# Altium PCB mchf_pro_ui.PcbDoc (part 5 of 5) (continued)
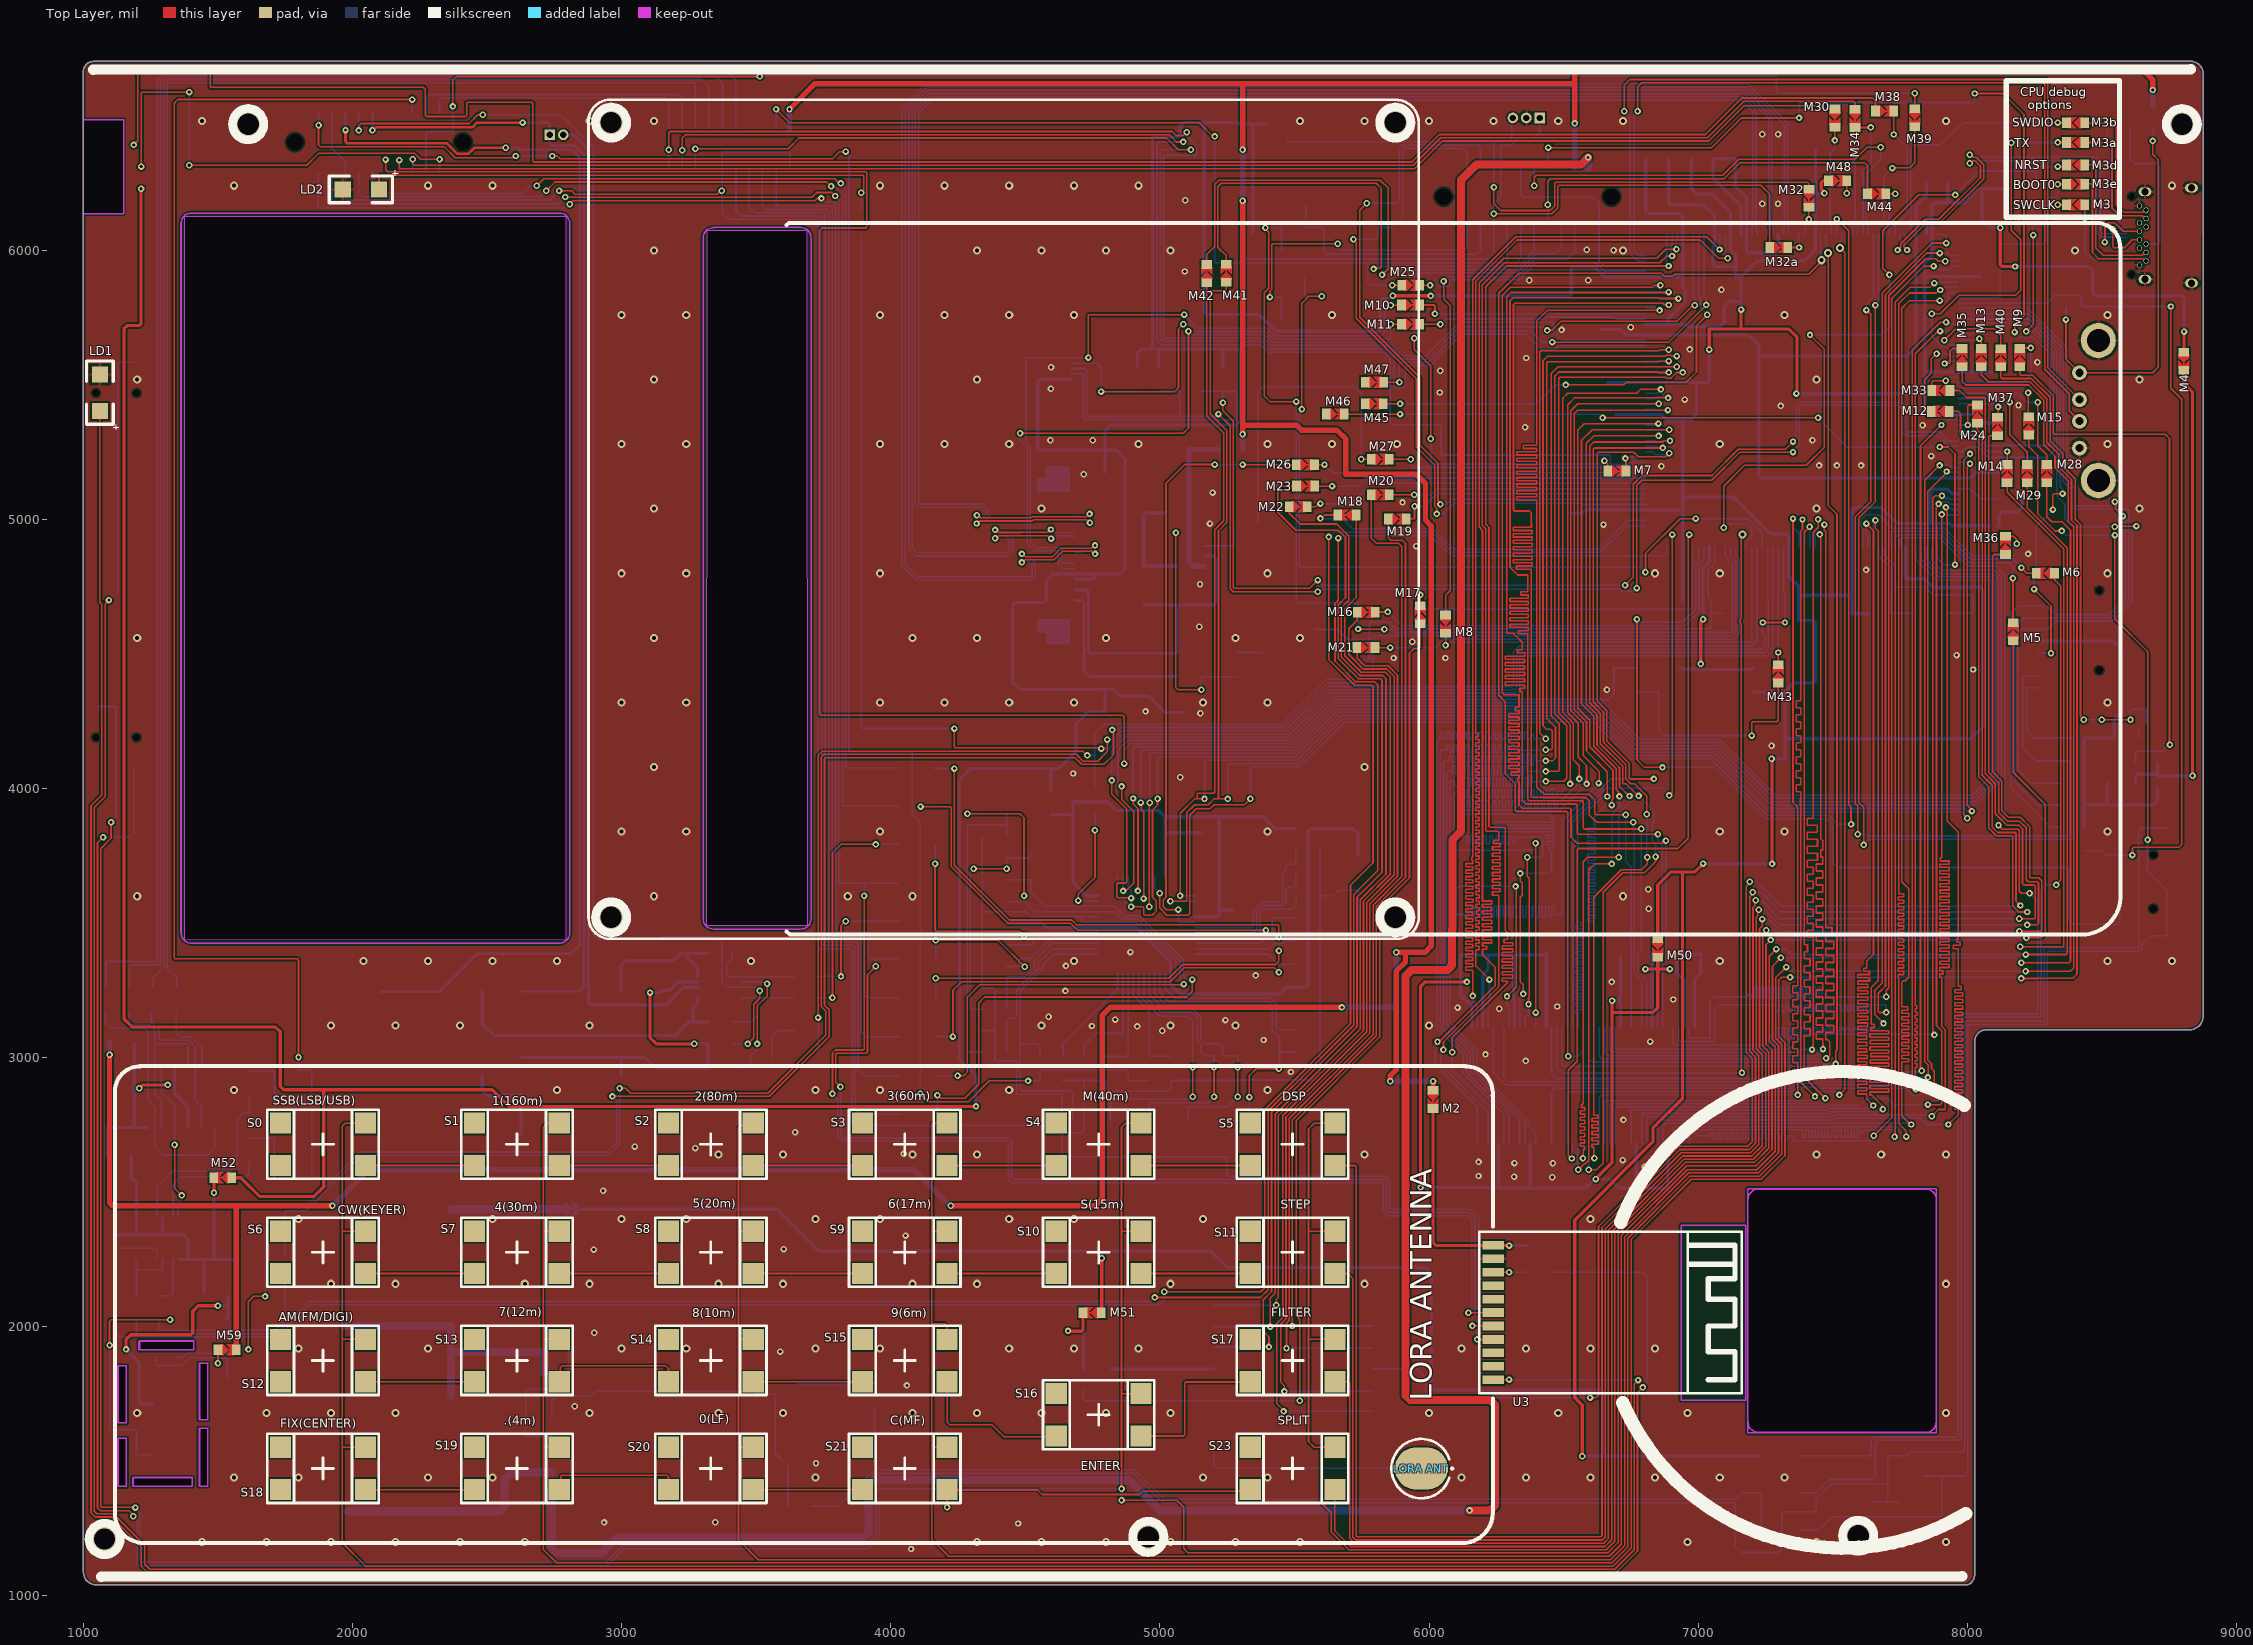
[diagram p0: Top Layer view]
## Nets (pads, with @x,y where several pads share a name; then routed paths per layer and width w, separated by ;. In a path a pad name is that pad's centre, name@x,y a point inside that pad or via, vN(x,y) a via of type N, cw(c..) or ccw(c..) an arc to the next point about the centre after c; other vN are vias at no path point) (continued)
  Top Layer w12: v1(1214.16,6229.04) 1214.16,5727.28 1207.13,5720.25 1162.18,5720.25 1150.35,5708.43 1150.35,3144.92 1181.1,3114.17 1713.58,3114.17 1731.3,3096.46 1731.3,2894.68 1745.08,2880.91 1888.78,2880.91 ; M52.1@1551.92,2554.01 1584.77,2554.01 1654.53,2484.25 1856.3,2484.25 1892.72,2520.67 1892.72,2876.97 1888.78,2880.91 ; v1(4316.63,2818.94) 2580.84,2818.94 2518.88,2880.91 1888.78,2880.91 ; M51.1@4781.78,2052.17 4783.46,2053.85 v1(4783.46,2254.92) ; v1(5865.42,5831.34) 5865.92,5830.84 6005.84,5830.84 v1(6006.34,5830.34) ; v1(6569.36,1518.98) 6569.36,1709 6541.34,1737.02 6541.34,2396.65 6831.89,2687.21 6831.89,2738.78 6942.01,2848.9 6942.01,3689.96 ; M50.1@6849.39,3441.36 6849.39,3641.87 6897.48,3689.96 6942.01,3689.96 ; v1(7018,3721.42) 6986.54,3689.96 6942.01,3689.96 ; v1(7041.31,5631.28) 7041.31,5707.66 7159.42,5707.66 ; v1(7159.42,5779.78) 7159.42,5707.66 ; v1(7272.43,4111.12) 7274.39,4109.16 v1(7274.39,3720.11) ; v1@7367.52,5479.05 7367.52,5676.78 7336.65,5707.66 7159.42,5707.66 ; v1(7468.95,6211.95) 7468.95,6215.2 7457.52,6226.62 7457.52,6251.44 7464.55,6258.47 M48.1@7484.06,6258.47 ; v1(8122.03,6083.62) 8122.03,5946.89 8129.06,5939.86 v1(8177.41,5939.86) ; M4.1@8803.95,5621.35 8805.12,5622.52 v1(8805.12,5698.06)
  Bottom Layer w12: M49.2@2845.76,2436.93 3576.07,2436.93 3731.51,2281.5 4784.45,2281.5 ; v1(4316.63,2818.94) 4316.63,2930.41 4254.92,2992.13 4254.92,4031.98 4297.36,4074.43 4601.66,4074.43 ; M0.2@4594.63,3994.1 4594.63,4067.4 4601.66,4074.43 ; J8.3@4670.39,5521.65 4552.86,5521.65 4545.83,5514.62 4545.83,5264.9 4552.86,5257.87 4796.26,5257.87 ; J7.6@4684.06,4777.56 4750.61,4777.56 4757.64,4784.59 4757.64,4797.24 ; v1(4783.46,2254.92) 4784.45,2255.91 4784.45,2281.5 ; C51.2@4796.26,5177.17 4796.26,5257.87 ; R49.1@4914.37,5565.39 4916.34,5567.36 4916.34,5617.13 4932.09,5632.87 4972.72,5632.87 ; R48.1@4994.95,5565.39 4994.95,5630.91 4996.92,5632.87 ; C47.1@5085.1,4282.99 5018.1,4282.99 4958,4343.1 4854.2,4343.1 4829.19,4368.11 4796.26,4368.11 ; R47.1@5233.7,5565.39 5233.7,5632.66 5233.91,5632.87 ; D4.2@5345.67,6064.33 5345.67,6462.66 5352.7,6469.69 D5.2@5396.65,6469.69 ; 5352.15,6469.13 5293.72,6469.13 5288.44,6474.41 5164.37,6474.41 ; v1(5865.42,5831.34) 5863.56,5831.34 5852.39,5820.17 5825.8,5820.17 5818.77,5813.14 5818.77,5705.95 5811.75,5698.92 5431.4,5698.92 5369.05,5761.27 5171.4,5761.27 5164.37,5768.3 5164.37,6474.41 ; v1(6006.34,5830.34) 6521.64,5830.34 6528.67,5837.37 Cp100.1@6528.67,5885.3 6528.67,5931.97 6535.7,5939 6613.26,5939 6650.11,5902.14 U5.100@6805.08,5902.14 6942.73,5902.15 6942.88,5902.3 ; Cp56.1@6528.67,5023 6568.7,5023 6581.7,5036 6942.88,5036 ; v1(6569.36,1518.98) 6570.07,1519.68 6646.73,1519.68 ; Cp80.1@6663.76,5508.44 6993.52,5508.44 ; Cp74.1@6692.27,5390.33 6863.45,5390.33 6883.13,5370.65 6939.34,5370.65 ; U5.91@6805.08,5724.98 6888.62,5724.98 ; Cp108.1@6805.08,6338.18 6805.43,6337.84 6805.43,6143.84 6812.46,6136.81 6928.69,6136.81 6942.88,6122.62 U5.108@6942.88,6059.62 6942.88,5902.3 ; Cp114.1@6890.52,6338.18 6890.52,6174.97 6897.55,6167.94 7021.37,6167.94 7060.99,6128.32 U5.114@7060.99,6059.62 7061.08,6059.53 7061.08,6018.68 7055.18,6012.78 7055.18,5947.04 7062.21,5940.01 7139.73,5940.01 ; Cp49.1@6942.88,4698.22 6942.88,5036 ; Cp117.1@6973.84,6338.18 6973.84,6228.69 6993.52,6209 7052.34,6209 7120.05,6141.3 U5.117@7120.05,6059.62 7120.05,6002.78 7139.73,5983.1 7139.73,5940.01 ; v1(7018,3721.42) 7018.65,3720.76 7273.74,3720.76 v1(7274.39,3720.11) ; v1@7041.31,5626.55 7041.31,5515.47 7034.28,5508.44 6993.52,5508.44 ; v1(7159.42,5779.78) 7159.42,5809.78 ; RFC3.1@7202.53,4358.59 7321.09,4358.59 7322.48,4359.98 ; D6.1@7230.31,1519.68 6646.73,1519.68 ; v1(7272.43,4111.12) 7322.48,4111.12 7322.48,4184.78 ; v1@7364.79,5467.05 7841.36,5467.05 ; 7435.38,6277.41 7435.38,6211.95 ; 7435.59,6279.77 Cp133.1@7435.59,6377.17 ; v1(7468.95,6211.95) 7435.38,6211.95 ; Cp17.1@7632.78,4649.9 7572.8,4649.9 7572.8,4717.96 ; U5.7@7769.65,4898.21 7769.65,4780.5 Cp7.1@7768.8,4779.64 7839.87,4779.64 7871.62,4747.89 8048,4747.89 8062.01,4733.89 8062.01,4233.72 8013.07,4184.78 7322.48,4184.78 ; U5.154@7848.39,6059.62 7848.39,6113.19 7857.82,6122.62 7868.08,6122.62 ; Cp155.1@7927.63,6251.71 7927.63,6183.86 7920.6,6176.83 ; U5.179@7948.88,5547.72 7841.36,5547.72 ; U5.202@7966.5,5095.06 7966.41,5095.15 7943.05,5095.15 7925.62,5112.58 7871,5112.58 7863.97,5105.55 7863.97,4984.93 ; U5.179@7966.5,5547.81 Cp179.1@8091.98,5547.81 ; Cp161.1@8048.11,5902.24 7966.59,5902.24 U5.161@7966.5,5902.14 7966.34,5902.3 7841.36,5902.3 ; 8082.58,4976.95 U5.208@7966.5,4976.95 7943.15,4976.95 7935.17,4984.93 7863.97,4984.93 ; Cp187.1@8091.98,5359.39 8040.98,5359.39 8029.72,5370.65 8029.72,5390.33 7848.39,5390.33 7841.36,5397.36 7841.36,5467.05 ; Cp208.1@8113.02,4976.72 8118.52,4982.23 8118.52,5016.54 8128.77,5026.78 8187.52,5026.78 8202.16,5041.42 R33.1@8202.16,5077 ; v1(8122.03,6083.62) 8086.55,6083.62 8054.23,6115.95 8054.23,6228.16 ; R32.1@8158.41,6228.16 8054.23,6228.16 ; v1(8177.41,5939.86) 8449.9,5939.86 8465.55,5924.21 8465.55,5844.49 8480.16,5829.88 8798.09,5829.88 8805.12,5822.85 v1(8805.12,5698.06) ; 4601.66,4074.43 4624.12,4074.43 4686.96,4137.27 4686.96,4238.21 4735.62,4286.87 C46.2@4796.26,4286.87 4796.26,4368.11 ; 4757.64,4797.24 4850.57,4797.24 4870.26,4816.93 4870.26,5226.2 4838.58,5257.87 4796.26,5257.87 ; 4757.64,4797.24 J7.7@4684.06,4797.24 4602.32,4797.24 4577.74,4772.66 4577.74,4698.82 4569.86,4690.94 4459.03,4690.94 4452,4683.92 4452,4396.43 4480.31,4368.11 4796.26,4368.11 ; 4784.45,2281.5 5189.49,2281.5 5250.52,2220.47 5988.19,2220.47 6008.86,2199.8 6008.86,1773.53 6015.89,1766.5 6639.7,1766.5 6646.73,1759.47 6646.73,1519.68 ; 4796.26,5257.87 4796.26,5329.72 4817.74,5351.21 5283.32,5351.21 5300.2,5368.08 5300.2,5625.84 5293.17,5632.87 5233.91,5632.87 ; 4972.72,5632.87 4972.72,6420.62 5066.26,6420.62 5075.41,6429.77 5075.41,6463.2 5086.61,6474.41 5164.37,6474.41 ; 4972.72,5632.87 4996.92,5632.87 ; 4996.92,5632.87 5233.91,5632.87 ; 6888.62,5724.98 6888.62,5746.02 6951.49,5808.89 6951.49,5852.47 6942.88,5861.08 6942.88,5902.3 ; 6888.62,5724.98 6955.86,5724.98 6964.63,5716.21 7080.68,5716.21 7096.6,5732.13 7096.6,5790.7 7115.68,5809.78 7159.42,5809.78 ; 6939.34,5370.65 6942.88,5367.11 6942.88,5083.22 ; 6939.34,5370.65 6973.84,5370.65 6993.52,5390.33 6993.52,5508.44 ; 6942.88,5036 6942.88,5083.22 ; 6942.88,5083.22 7131.88,5083.22 7269.32,4945.78 7328.52,4945.78 7336.58,4937.72 U5.29@7336.58,4898.21 7336.65,4898.14 7336.65,4788.94 7373.92,4751.66 7373.92,4714 ; 7139.73,5940.01 7139.73,5902.14 7159.42,5902.14 ; 7159.42,5809.78 7159.42,5902.14 ; 7159.42,5902.14 7218.48,5961.21 7395.08,5961.21 7435.01,6001.13 U5.133@7435.01,6059.62 7435.01,6077.15 7435.38,6077.53 7435.38,6211.95 ; 7322.48,4184.78 7322.48,4359.98 ; 7322.48,4359.98 7355.28,4392.78 7427.98,4392.78 7435.01,4399.81 7435.01,4617.07 7427.98,4624.1 Cp29.1@7373.7,4624.1 7373.7,4692.79 7373.92,4693.01 7373.92,4714 ; 7373.92,4714 7377.88,4717.96 7572.8,4717.96 ; 7572.8,4717.96 7572.8,5036.91 7580.18,5044.29 7680.09,5044.29 7739.45,4984.93 7863.97,4984.93 ; 7841.36,5467.05 7841.36,5547.72 ; 7841.36,5547.72 7841.36,5902.3 ; 7841.36,5902.3 7841.36,5951.95 7868.08,5978.66 7868.08,6122.62 ; 7868.08,6122.62 7868.08,6167.94 7876.96,6176.83 7920.6,6176.83 ; 7920.6,6176.83 7988.78,6176.83 8040.12,6228.16 8054.23,6228.16
  other v1: 7364.79,5467.84
UI_3V_SDRAM: Cr1.1 Cr3.1 Cr9.1 Cr15.1 Cr29.1 Cr35.1 Cr41.1 Cr43.1 Cr49.1 Cr55.1 Cr75.1 Cr81.1 M50.2 U8.1 U8.3 U8.9 U8.15 U8.29 U8.35 U8.41 U8.43 U8.49 U8.55 U8.75 U8.81 | length 6407.7
  Top Layer w12: v1(5968.58,2518) 5968.58,3264.74 5985.44,3281.6 v1(6140.52,3281.6) ; v1(6619.17,2549.21) 6619.17,2550.04 6680.08,2610.94 6680.08,3170.26 ; v1(6680.08,3211.95) 6680.08,3170.26 ; v1(6803.85,3329.51) 6803.92,3329.44 6849.39,3329.44 ; M50.2@6849.39,3373.86 6849.39,3329.44 ; v1(6894.85,3329.44) 6849.39,3329.44 ; 6680.08,3170.26 6682.23,3168.11 6831.89,3168.11 6849.39,3185.6 6849.39,3329.44
  Bottom Layer w12: v1(5968.58,2518) 6257.85,2518 Cr81.1@6260.62,2515.23 6258.12,2517.73 U8.81@6258.12,2679.53 ; v1(6140.52,3281.6) 6116.3,3281.6 ; U8.1@6159.69,3112.61 6159.69,3191.07 6116.3,3234.46 6116.3,3281.6 ; U8.3@6199.06,3112.61 6199.06,3307.29 6218.97,3327.2 Cr3.1@6218.97,3381.64 ; Cr3.1@6218.97,3382.49 Cr3.1@6218.97,3381.64 ; Cr81.1@6260.84,2515.23 Cr75.1@6376,2515.23 6580.87,2515.23 6614.85,2549.21 v1(6619.17,2549.21) 6671.3,2549.21 6704.43,2516.09 Cr55.1@6772.12,2516.09 ; U8.9@6317.17,3112.61 6317.17,3216.13 6314.01,3219.29 6314.01,3376.28 Cr9.1@6318.52,3380.78 ; Cr75.1@6376.23,2516.09 U8.75@6376.23,2679.53 ; U8.15@6435.28,3112.61 6435.28,3381.42 Cr15.1@6435.5,3381.64 ; Cr15.1@6438.65,3384.78 Cr15.1@6435.5,3381.64 ; v1(6680.08,3211.95) 6706.36,3211.95 6710.87,3207.44 ; U8.29@6710.87,3112.61 6710.87,3207.44 ; Cr29.1@6710.87,3378.35 6710.87,3207.44 ; U8.55@6769.93,2679.53 6769.93,2518.28 Cr55.1@6772.12,2516.09 ; v1(6803.85,3329.51) 6828.98,3329.51 ; U8.35@6828.98,3112.61 6828.98,3329.51 ; Cr35.1@6828.98,3384.78 6828.98,3329.51 ; Cr49.1@6888.04,2517.81 U8.49@6888.04,2679.53 ; Cr49.1@6890.61,2515.23 6772.98,2515.23 Cr55.1@6772.12,2516.09 ; v1(6894.85,3329.44) 6921.23,3329.44 6921.3,3329.51 ; U8.41@6947.09,3112.61 6947.09,3288.38 6921.3,3314.18 6921.3,3329.51 ; U8.43@6986.46,3112.61 6986.46,3291.34 7009.3,3314.18 7009.3,3384.78 Cr41.1@6921.52,3384.78 6921.3,3384.78 6921.3,3329.51 ; 6116.3,3281.6 Cr1.1@6116.3,3383.93 6118.59,3381.64 Cr3.1@6218.97,3381.64 ; Cr3.1@6218.97,3381.64 Cr15.1@6435.5,3381.64
USART2_TX: M3a.2 U5.175 | length 1337.5
  Top Layer w6: v1(7868.08,5764.35) 7899.86,5764.35 7968.99,5833.48 8179.31,5833.48 8198.41,5852.58 8198.41,6039.3 8163.2,6074.51 v1(8163.2,6399.24) ; v1(8335.63,6400.77) M3a.2@8368.61,6400.77
  Bottom Layer w6: v1(7868.08,5764.35) 7868.08,5682.73 7910.48,5640.33 7920.78,5640.33 7934.56,5626.55 U5.175@7966.5,5626.55 ; v1(8163.2,6399.24) 8164.73,6400.77 v1(8335.63,6400.77)
USB_DFU_N: J4.A7 J4.B7 U5.149 | length 1674.2
  Top Layer w6: v1(7740.72,6001.21) 7740.72,6002.02 7752.42,6013.72 7752.42,6024.1 7843.27,6114.95 7893.75,6114.95 8049.06,6270.27 8049.06,6312.45 8028.23,6333.29 8021.07,6333.29 8011.05,6323.26 v1(8008.56,6323.26) ; v1(8510.83,6030.51) 8511.67,6031.35 8511.67,6091.1 8523.11,6102.55 8547.02,6102.55 8578.9,6070.68 J4.B7@8639.72,6070.68
  Bottom Layer w6: v1(7740.72,6001.21) 7740.72,6002.02 7752.42,6013.72 7752.42,6025.61 7753.81,6027 7753.81,6036.49 7749.97,6040.33 U5.149@7749.97,6059.62 ; v1(8008.56,6323.26) 8011.05,6323.26 8021.07,6333.29 8477.22,6333.29 8480.74,6329.77 8480.74,6066.21 8497.37,6049.58 8511.81,6049.58 ; v1(8510.83,6030.51) 8511.81,6031.5 8511.81,6049.58 ; J4.A7@8591.18,6045.08 8588.27,6047.98 8574.87,6047.98 8573.27,6049.58 8511.81,6049.58
USB_DFU_P: J4.A6 J4.B6 U5.150 | length 1660.9
  Top Layer w6: v1(7776.12,6001.13) 7776.12,6001.95 7764.42,6013.65 7764.42,6019.13 7848.24,6102.95 7898.72,6102.95 8061.06,6265.29 8061.06,6317.42 8033.2,6345.29 8021.07,6345.29 8011.05,6355.31 v1(8008.56,6355.31) ; v1(8540.99,6078.14) 8540.99,6013.5 8544.51,6009.98 8583.71,6009.98 8613.04,6039.3 8639.6,6039.3 J4.B6@8639.72,6039.18
  Bottom Layer w6: U5.150@7769.65,6059.62 7769.65,6040.33 7765.81,6036.49 7765.81,6022.03 7764.42,6020.64 7764.42,6013.65 7776.12,6001.95 v1(7776.12,6001.13) ; v1(8008.56,6355.31) 8011.05,6355.31 8021.07,6345.29 8482.19,6345.29 8492.74,6334.74 8492.74,6071.18 8502.34,6061.58 8541.13,6061.58 ; v1(8540.99,6078.14) 8541.13,6078 8541.13,6061.58 ; J4.A6@8591.18,6064.76 8588.27,6061.86 8573,6061.86 8572.72,6061.58 8541.13,6061.58
VBAT: C29.1 C40.1 D7.1 R40.2 R41.1 TS1.e | length 8086.4
  Bottom Layer w6: R40.2@3706,1334.85 3706.76,1334.09 3803.95,1334.09 3924.96,1455.1 4902.57,1455.1 5011.7,1345.97 7134.43,1345.97 7137.94,1342.46 7137.94,1185.87 7162.4,1161.42 7296.26,1161.42 7310.7,1175.85 7310.7,1309.16 7314.21,1312.68 7435.46,1312.68 7438.98,1316.19 7438.98,1360.24 7495.95,1417.21 7704.72,1417.21 ; C40.1@7651.59,1348.87 7652.04,1348.43 7700.31,1348.43 ; R41.1@7748.58,1348.43 7700.31,1348.43 ; TS1.e@8741.14,3853.54 8645.87,3853.54 8636.26,3843.94 8636.26,3411.78 8632.75,3408.27 8289.02,3408.27 8285.5,3404.76 8285.5,3139.23 8281.99,3135.71 7993.56,3135.71 7990.05,3132.2 7990.05,1542.23 7983.69,1535.87 C29.1@7834.65,1535.87 7789.8,1535.87 7774.61,1520.67 D7.1@7704.72,1520.67 7704.72,1417.21 ; 7700.31,1348.43 7704.72,1352.84 7704.72,1417.21
VCC_3V_ON: D9.2 D10.2 R37.1 | length 3704.8
  Bottom Layer w6: R37.1@3939.51,1699.86 3939.51,1492.83 3964.65,1467.69 4906.95,1467.69 5015.94,1358.7 7137.59,1358.7 7161.76,1382.87 D10.2@7233.94,1382.87 D9.2@7233.94,1245.08
VCC_3V_ON_DIRTY: Q2.3 R39.1 U6.5 | length 1350.6
  Bottom Layer w6: U6.5@2740.14,1660.75 2740.14,1725.17 2757.72,1742.75 2887.43,1742.75 2905.51,1760.83 3488.01,1760.83 3497.27,1751.57 Q2.3@3570.59,1751.57 3570.59,1528.82 3618.11,1481.3 R39.1@3618.11,1334.09
VCC_5V_ON: J1UI.A6 U5.102 | length 801.3
  Bottom Layer w6: J1UI.A6@6341.04,6307.32 6341.04,6207.29 6351.46,6196.87 6612.41,6196.87 6631.36,6177.92 6631.36,5960.81 6650.66,5941.51 U5.102@6805.08,5941.51
VCC_5V_RF: J1UI.A2 J2UI.A1 M2.1 M53.2 M59.2 R16.1 RFC2.1 RFC5.1 | length 17327.5
  Top Layer w20: v1(1097.05,3010.83) 1096.94,3010.72 1096.94,2461.52 1108.65,2449.8 1567.48,2449.8 ; M59.2@1567.48,1915.07 1567.48,2449.8 ; v1(1925.2,2449.8) 1567.48,2449.8 ; v1(3623.53,6524.07) 3718.55,6619.09 5307.09,6619.09 ; v1(4222.44,2449.8) 4758.86,2449.8 4785.43,2476.38 4785.43,3157.48 4814.96,3187.01 v1(5676.18,3187.01) ; v1(5307.09,5316.93) 5307.09,5350.39 ; v1@5307.09,6180.12 5307.09,5350.39 ; v1(5307.09,6374.02) 5307.09,6619.09 ; v1(5855.88,2912.4) 5855.88,2933.09 5877.95,2955.17 5877.95,3321.2 5912.53,3355.78 5912.53,3391.73 ; v1(5877.95,3391.73) 5912.53,3391.73 ; M2.1@6014.76,2878.94 M2.1@6015.2,2879.37 ; M2.1@6014.76,2887.94 v1(6014.76,2912.4) ; v1(6541.04,6471.63) 6540.86,6471.81 6540.86,6619.09 ; v1(8689.21,6595.65) 8688.45,6596.42 8688.45,6634.39 8654.53,6668.31 6552.75,6668.31 6541.04,6656.59 6541.04,6619.09 6540.86,6619.09 ; 5307.09,5350.39 5508.29,5350.39 5526.62,5332.06 5657.04,5332.06 5691.02,5298.08 5691.02,5167.66 5952.53,5167.66 5986.61,5133.59 5986.61,4997.64 6007.87,4976.38 6007.87,3414.38 5985.23,3391.73 5912.53,3391.73 ; 5307.09,6619.09 6540.86,6619.09
  Bottom Layer w20: v1(1097.05,3010.83) M53.2@1097.05,3059.79 ; v1(1925.2,2449.8) 2058.93,2583.53 4088.71,2583.53 v1(4222.44,2449.8) ; v1(3623.53,6524.07) 3623.53,6452.26 J2UI.A1@3623.82,6451.97 ; RFC5.1@5307.09,5259.84 v1(5307.09,5316.93) ; v1(5307.09,6184.43) v1(5307.09,6374.02) ; v1(5676.18,3187.01) 5866.24,3187.01 5877.95,3198.72 v1(5877.95,3391.73) ; v1(5855.88,2912.4) v1(6014.76,2912.4) ; J1UI.A2@6541.04,6307.32 v1(6541.04,6471.63) ; RFC2.1@8689.21,6538.56 v1(8689.21,6595.65)
VCC_20V: C34.1 C35.1 J1UI.A1 R39.2 R40.1 U6.1 | length 9944.9
  Top Layer w30: v1(6150.59,1317.91) 6227.46,1317.91 6245.03,1335.49 6245.03,1710.5 6227.46,1728.07 5930.11,1728.07 5912.53,1745.64 5912.53,3303.36 5934.59,3325.42 6067.95,3325.42 6085.52,3342.99 6085.52,3476.35 6086.29,3477.12 6086.29,3809.58 6118.11,3841.4 6118.11,6260.83 6176.73,6319.45 6565.23,6319.45 v1(6590.79,6345.01)
  Bottom Layer w30: U6.1@2740.14,1392.75 2740.14,1177.16 2757.72,1159.59 2927.31,1159.59 2984.95,1217.23 3899.75,1217.23 3917.32,1234.81 3917.32,1413.53 3934.9,1431.1 4886.39,1431.1 4999.58,1317.91 v1(6150.59,1317.91) ; v1(6590.79,6345.01) 6590.79,6307.57 J1UI.A1@6591.04,6307.32
VDDA: Cp44.1 CP44E.1 RFC3.2 U5.44 | length 738.7
  Top Layer w12: v1@7009.84,4463.38 7009.84,4620.92 v1(7018,4629.12) v1(7018,4629.12)
  Bottom Layer w12: Cp44.1@6937.01,4447.83 6941.75,4443.09 7009.73,4443.09 ; v1(7009.52,4463.38) 7009.73,4463.17 7009.73,4442.63 7196.57,4442.63 RFC3.2@7202.53,4448.59 ; v1(7018,4629.12) 7018,4819.68 7041.31,4842.99 U5.44@7041.3,4898.21
VREF+: CP43.2 CP43E.1 M60.1 U5.43 | length 7810.1
  Top Layer w6: v1(2965.55,2856.3) 3548.02,2856.3 3770.79,3079.07 3770.79,3178.27 3753.76,3195.29 3753.76,4111.51 3757.28,4115.03 4684.29,4115.03 4709.29,4090.03 4792.46,4090.03 4827.44,4125.01 4827.44,4205.35 4826.2,4206.59 4826.2,4214.42 v1(4822.76,4217.86)
  Bottom Layer w6: M60.1@1673.23,2449.8 1828.9,2449.8 2028.59,2649.49 2947.25,2649.49 2981.29,2683.52 2981.29,2840.56 v1(2965.55,2856.3) ; v1(4822.76,4217.86) 4846.8,4217.86 4855.86,4226.92 5458.81,4226.92 5624.28,4392.39 5724.36,4392.39 5744.99,4413.03 5744.99,4466.53 5756.46,4478 5775.05,4478 5778.56,4481.51 5778.56,4617.93 5852.27,4617.93 5876.55,4593.65 7039.52,4593.65 7048.57,4602.71 7048.57,4651.13 ; CP43E.1@5573.69,4591.19 5662.06,4591.19 5700.1,4553.15 5778.21,4553.15 ; U5.43@7060.99,4898.21 7060.99,4838.14 7036.25,4813.4 7036.25,4711.02 7048.57,4698.7 7048.57,4651.13 ; CP43.2@7094.83,4651.65 7049.09,4651.65 7048.57,4651.13
pads on no net: J1UI.A7 J1UI.MH1 J1UI.MH2 J3UI.MH1 J3UI.MH2 J4.A2 J4.A3 J4.A4 J4.A8 J4.A9 J4.A10 J4.B4 J4.B8 J4.B9 J4.MH1 J4.MH2 J6.11 J6.12 J6.13 J6.14 J6.NPTH1 J6.NPTH2 J7.1 J7.3 J7.5 J7.MP1 J7.MP2 J8.2 J8.MP1 J8.MP2 S0.1 S0.2 S1.1 S2.1 S3.1 S4.1 S5.1 S6.1 S6.2 S7.1 S8.1 S9.1 S10.1 S11.1 S12.1 S12.2 S13.1 S14.1 S15.1 S16.1 S17.1 S18.1 S18.2 S19.1 S20.1 S21.1 S22.2 S22.3 S22.NPTH1 S23.1 S24.1 S24.4 S24.NPTH1 TS1.c TS1.NPTH1 TS1.NPTH2 U1.40 U1.47 U1.48 U2.7 U3.4 U3.5 U3.9 U3.10 U4.3 U5.19 U8.14 U8.30 U8.57 U8.69 U8.70 U8.73 U9.3 U10.7 U10.11 U10.12 U11.3 U13.1 Y1.2 Y1.3

## Polygon pours and split planes (outlines as drawn)
GND on Top Layer "top" (solid, remove dead copper, pour order 6): 999.47,6702.43 1000.01,1041.39 8874,1041.39 8877.01,6701.98
GND on Bottom Layer "bottom" (solid, remove dead copper, pour order 4): 999.57,6677.16 1020.44,6701.92 8877.01,6701.92 8877.22,1041.39 999,1041.39

## Keep-outs
Top Layer:
  lines w5: 1362.49,3464.03 1362.49,6099.48 ; 1362.53,6100.14 cw(c1401.41,6099.65) 1401.9,6138.52 ; 1362.69,3464.87 ccw(c1401.57,3464.38) 1401.07,3425.5 ; 1400.96,3425.56 2768.5,3425.56 ; 1401.52,6138.52 2768.4,6138.52 ; 2768,3425.36 ccw(c2768.5,3464.24) 2807.37,3463.75 ; 2768.89,6138.56 cw(c2768.4,6099.68) 2807.28,6099.19 ; 2807.26,3464.24 2807.26,6099.68 ; 7885.4,1607.07 7885.4,2512.89 7183.95,2512.89 7183.95,1606.55 7885.78,1606.55
Bottom Layer:
  lines w5: 1362.75,6100.25 cw(c1401.63,6099.76) 1402.12,6138.64 ; 1362.78,3464.23 1362.78,6101.57 ; 1362.87,3464.67 ccw(c1401.75,3464.18) 1401.26,3425.3 ; 1401.26,3425.05 2768.12,3425.05 ; 1401.6,6138.52 2768.4,6138.52 ; 2768.11,3425.39 ccw(c2768.6,3464.27) 2807.48,3463.77 ; 2768.89,6138.56 cw(c2768.4,6099.68) 2807.28,6099.19 ; 2807.26,3463.77 2807.26,6099.68 ; 7184.95,1607 7885.01,1607 7885.01,2512.95 7184.95,2512.95 7184.95,1607
Keep-Out Layer:
  lines w5: 999.49,6661.89 999.58,5699.29 1000,1088.93 ccw(c1047.54,1088.93) 1047.73,1041.39 7999.98,1041.39 ; 999.49,6662.44 cw(c1038.71,6662.76) 1038.39,6701.98 8828.29,6701.98 ; 1362.74,3464.52 ccw(c1401.62,3464.03) 1401.13,3425.15 ; 1362.75,6100.13 cw(c1401.63,6099.64) 1402.12,6138.52 ; 1362.89,3464.79 1362.89,6100.72 ; 1400.69,6138.52 2768.32,6138.52 ; 1402.49,3425.19 1402.73,3425.42 2768.85,3425.42 ; 2767.98,3425.29 ccw(c2768.48,3464.17) 2807.35,3463.67 ; 2768.89,6138.56 cw(c2768.4,6099.68) 2807.28,6099.19 ; 2807.26,3463.83 2807.26,6099.58 ; 3302.69,3516.44 3302.69,6046.03 ; 3302.74,3517.35 ccw(c3341.62,3516.86) 3341.13,3477.98 ; 3302.78,6046.36 cw(c3341.66,6045.87) 3342.15,6084.74 ; 3341.19,3477.94 3665.7,3477.94 ; 3341.6,6084.94 3665.85,6084.94 ; 3664.29,3477.77 ccw(c3664.78,3516.65) 3703.65,3516.16 ; 3665.53,6084.95 cw(c3665.04,6046.07) 3703.91,6045.58 ; 3703.69,3515.92 3703.69,6047.11 ; 7184.95,1647.45 7184.95,2474.88 ; 7185.04,2473.24 cw(c7223.92,2472.74) 7224.41,2511.62 ; 7185.12,1646.98 ccw(c7224,1646.49) 7223.51,1607.61 ; 7221.69,2511.62 7849.36,2511.62 7849.69,2511.29 ; 7224.8,1607.59 7844.41,1607.59 ; 7844.53,1607.82 ccw(c7845.02,1646.7) 7883.9,1646.21 ; 7845.92,2511.85 cw(c7845.43,2472.98) 7884.31,2472.48 ; 7884.17,1647.35 7884.17,2472.48 ; 7999.97,1041.39 ccw(c7988.18,1078.6) 8027.17,1076.79 ; 8027.56,1076.79 8027.56,3061.87 ; 8027.58,3061.87 cw(c8070.02,3061.02) 8070.87,3103.46 8825.65,3103.46 ; 8826.12,3103.72 ccw(c8824.85,3155.22) 8876.34,3156.5 8877.01,6653.11 ; 8828.11,6702.43 cw(c8828.3,6653.51) 8877.22,6653.91 ; 1128.01,1407.65 1128.01,1585.17 1159.57,1585.17 1159.57,1407.65 1128.01,1407.65 ; 1128.01,1643.16 1128.01,1855.08 1159.58,1855.08 1159.58,1643.16 1128.01,1643.16 ; 1183.47,1408.62 1183.47,1440.18 1404.47,1440.18 1404.47,1408.62 1183.47,1408.62 ; 1206.47,1914.38 1206.47,1946.72 1410.32,1946.72 1410.32,1914.38 1206.47,1914.38 ; 1429.76,1408.08 1429.76,1622.52 1461.32,1622.52 1461.32,1408.08 1429.76,1408.08 ; 1429.76,1655.32 1429.76,1864.17 1461.32,1864.17 1461.32,1655.32 1429.76,1655.32 ; 2807.26,4822.59 2807.26,4822.59

## Silkscreen, mask and mechanical layers (free items; w line width, h text height)
Top Overlay:
  circle w31.5: c1612.2,6468.5 r58.49
  circle w31.5: c8797.24,6468.5 r58.49
  circle w31.5: c7594.42,1223.81 r58.49
  circle w31.5: c4956.69,1219.49 r58.49
  circle w31.5: c1078.74,1211.61 r58.49
  circle w31.5: c5874.41,3521.65 r58.49
  circle w31.5: c2960.87,3521.65 r58.49
  circle w31.5: c5874.41,6474.41 r58.49
  circle w31.5: c2960.88,6474.41 r58.49
  lines w10: 2876.97,3522.64 ccw(c2957.18,3522.15) 2956.69,3441.93 5880.91,3441.93 ccw(c5880.41,3523.13) 5961.61,3523.62 5961.61,6475.39 ccw(c5876.48,6473.92) 5875,6559.06 2967.52,6559.06 ccw(c2958.17,6477.85) 2876.97,6487.2 2876.97,3522.64
  lines w15: 1117.04,2874.52 cw(c1210.63,2874.52) 1210.63,2968.11 ; 1117.13,1308.07 1117.13,2875.98 ; 1118.11,1308.07 ccw(c1224.41,1303.15) 1224.41,1196.74 ; 1210.63,2968.5 6136.31,2968.5 ; 1224.41,1196.85 6123.79,1196.85 ; 3613,3469.68 3624.68,3458 8427.49,3458 ; 3613,6093.5 3621.5,6102 8479.51,6102 ; 6123.79,1196.59 ccw(c6123.79,1309.67) 6236.87,1309.67 ; 6135.82,2968.25 cw(c6136.31,2867.55) 6236.65,2859.12 ; 6236.87,1307.09 6236.87,1733.27 ; 6236.87,2372.05 6236.87,2859.25 ; 8428.15,3457.68 ccw(c8426.23,3600.45) 8569,3602.36 ; 8481.3,6102 cw(c8479.51,6013.6) 8567.91,6011.81 ; 8569,3599.51 8569,6013.6
  lines w20: 8144.12,6122.62 8565.19,6122.62 8565.19,6629.92 8144.12,6629.92 8144.12,6122.62
  lines w39.37: 1036.42,6670.28 8830,6673.23 ; 1066.93,1070.87 7980.31,1072.83
  lines w50: 6711.36,2387.95 cw(c7535.43,2062.99) 7988.71,2824.06 ; 6719.96,1718.02 ccw(c7535.43,2063.98) 7993.27,1305.64
  text "CPU debug" at 8195.87,6571.85 h32
  text "options" at 8225.39,6524.61 h32
  text "SWDIO" at 8167.3,6459.13 h32
  text "TX" at 8173.53,6382.63 h32
  text "NRST" at 8176.99,6300.94 h32
  text "BOOT0" at 8171.11,6226.86 h32
  text "SWCLK" at 8169.72,6153.13 h32
  text "1(160m)" at 2519,2824 h32
  text "LORA ANTENNA" at 6009.62,1724.63 h80 r90
Bottom Overlay:
  lines w10: 2898.62,6478.35 2898.62,3528.54 ccw(c2963.58,3521.65) 2956.69,3456.69 3913.24,3456.69 ; 2898.62,6479.95 cw(c2960.52,6479.44) 2961.03,6541.34 5882.87,6541.34 ; 5796.62,3455.91 5888.9,3455.91 ; 5883.07,6540.91 cw(c5877.44,6475.85) 5942.51,6470.22 ; 5886.64,3455.91 ccw(c5882.55,3516.14) 5942.78,3520.24 ; 5942.31,3510.18 5942.31,6486.1
  lines w20: 4590.79,2157.89 4591.88,2156.81 ; 3023.72,2157.6 3023.72,2423.23 4591.72,2423.23 4591.72,2157.6 3023.72,2157.6
  lines w39.37: 1038.39,6668.31 8828,6673.23 ; 1062.01,1074.8 7992.13,1074.8
  text "Paddles" at 6463.67,6547.78 h32
  text "mcHF QRP Transceiver" at 3694.88,2350.39 h32
  text "UI board, rev 0.8.4, Krassi Atanassov, M0NKA" at 4450.79,2275.59 h32
  text "19 May 2024" at 4534.45,2212.6 h32
  text "www.m0nka.co.uk" at 3513.78,2205.71 h32
Mechanical 1:
  circle w10: c7534.53,2062.64 r145.67
  lines w5: 1118,1480.85 6233,1480.85 ; 1119,2685 6236,2685 ; 1120,2283.85 6235,2283.85 ; 1120.11,1881.85 6236,1881.85 ; 1895.28,1197.85 1895.28,2968 ; 2615.75,1197.85 2615.75,2968 ; 3336.22,1198 3336.22,2967.5 ; 4056.73,1198.85 4056.73,2968 ; 4777.17,1198.85 4777.17,2968 ; 5497.64,1199.85 5497.64,2968 ; 1000,1041.39 8875.95,1041.39 8875.95,6702.76 1000,6702.76 1000,1041.39
  lines w6: 7892.12,1607.34 7178.31,1607.34 7178.31,2518.62 7892.41,2518.62 ; 7892.5,1607.34 7892.5,2518.62
  lines w10: 1006.88,3870.09 8877.92,3870.09 ; 7178.31,1607.34 7178.31,1804.43 ; 7391.28,2062.64 7680.2,2062.64 ; 7535.53,1709 7535.53,2417.66 ; 7892.5,2321.53 7892.5,2518.62
  text "ToDo: Add testpoints" at 6022.64,6841.54 h32
Mechanical 4:
  lines w10: 1078.74,1212.65 7594.42,1223.81 ; 1612.2,6468.5 8797.24,6468.5
Mechanical 7:
  lines w10: 3609.25,3474.41 3609.25,6093.5
Mechanical 13:
  lines w6: 269.69,6701.77 9000,6701.77 ; 353.35,1041.34 9083.66,1041.34

## Dimensions
4594.49,5787.4 to 3621.5,6102 on Mechanical 7
4499.76,5751.18 to 3609.25,6093.5 on Mechanical 7
4424.19,4549.23 to 3609.25,3474.41 on Mechanical 7
4606.3,5314.96 to 4621.04,5196.85 on Mechanical 7
1006.88,3870.09 to 1214.57,6311.02 on Mechanical 1
1006.88,3870.09 to 1122.37,5444.69 on Mechanical 1
1006.88,3870.09 to 1122.18,4165.16 on Mechanical 1
8877.92,3870.09 to 8825.65,3103.46 on Mechanical 1
8797.24,6468.5 to 1612.2,6468.5 on Mechanical 4
8797.24,6468.5 to 8875.95,6702.76 on Mechanical 4
8877.92,3870.09 to 8797.24,6468.5 on Mechanical 4
8869.09,3653.54 to 8877.92,3870.09 on Mechanical 4
8877.92,3870.09 to 8875.98,4578.74 on Mechanical 4
8877.92,3870.09 to 8897.82,5405.62 on Mechanical 4
8877.92,3870.09 to 8866.77,6054.92 on Mechanical 4
1078.74,1211.61 to 1000,1088.93 on Mechanical 4
4956.69,1219.49 to 1078.74,1211.61 on Mechanical 4
7594.42,1223.81 to 4956.69,1219.49 on Mechanical 4
1078.74,1212.65 to 1006.88,3870.09 on Mechanical 4
1708.46,6212.6 to 1000,6702.76 on Mechanical 1
1708.46,6212.6 to 1006.88,3870.09 on Mechanical 1
5976.47,6010.08 to 8877.92,3870.09 on Mechanical 1
5874.41,3521.65 to 5874.41,6474.41 on Mechanical 1
2960.88,6474.41 to 5874.41,6474.41 on Mechanical 1
2960.88,6474.41 to 3098.82,6251.97 on Mechanical 1
2960.88,6474.41 to 3098.82,6501.97 on Mechanical 1
2898.62,6478.35 to 1000,6702.76 on Mechanical 1
7388.86,2062.64 to 8026.57,2113.19 on Mechanical 1
7680.2,2062.64 to 8875.95,1041.39 on Mechanical 1
1047.73,1041.39 to 1006.88,3870.09 on Mechanical 1
2404.53,6144.69 to 2445.87,3421.26 on Mechanical 1
2804.13,5402.56 to 1359.25,5361.22 on Mechanical 1
3303.69,5490.94 to 3703.69,5483.94 on Mechanical 1
3462.69,6078.94 to 3468.69,3477.94 on Mechanical 1
8887.8,992.13 to 9083.66,1041.34 on Mechanical 12
8429,6080 to 999.49,6662.44 on Mechanical 1
8318,6075 to 8324,3474 on Mechanical 1
8159,5487 to 8559,5480 on Mechanical 1
7892.5,1607.34 to 8828.11,6702.43 on Mechanical 1
7178.31,1607.34 to 8875.95,1041.39 on Mechanical 1
7178.31,1607.34 to 7892.5,1607.34 on Mechanical 1
7178.31,2518.62 to 7892.12,1607.34 on Mechanical 1
1000,1041.39 to 8875.95,1041.39 on Mechanical 1
8828.3,6702.43 to 7999.98,1041.39 on Mechanical 1
1118.5,2968.5 to 1119,2685 on Mechanical 1
1119,2685 to 1120,2283.85 on Mechanical 1
1120,2283.85 to 1120.11,1881.85 on Mechanical 1
1120.11,1881.85 to 1118,1480.85 on Mechanical 1
1118,1480.85 to 1118.11,1196.85 on Mechanical 1
1895.28,1197.85 to 1118.11,1196.85 on Mechanical 1
1895.28,1197.85 to 2615.75,1197.85 on Mechanical 1
2615.75,1197.85 to 3336.22,1198 on Mechanical 1
3336.22,1198 to 4056.73,1198.85 on Mechanical 1
4056.73,1198.85 to 4777.17,1198.85 on Mechanical 1
4777.17,1198.85 to 5497.64,1199.85 on Mechanical 1
5497.64,1199.85 to 6236,1196.85 on Mechanical 1
1767.72,3330.13 to 1047.73,1041.39 on Mechanical 1

## Text inside footprints (layer, text, board x,y; h text height)
J6: Bottom Overlay "1" at 8248.03,4742.13 h59.06 r180; Mechanical 7 "EDGE" at 8878.94,4876.97 h39.37 r270; Mechanical 7 "PCB" at 8878.94,4185.04 h39.37 r270; Mechanical 4 "1" at 8307.09,4696.85 h59.06 r180; Mechanical 4 "9" at 8305.12,4349.41 h59.06 r180; Mechanical 4 "10" at 8636.81,4336.61 h59.06 r180
TS1: Mechanical 7 "PCB" at 8846.14,3433.54 h39.37 r270; Mechanical 7 "EDGE" at 8846.14,3808.54 h39.37 r270
U5: Bottom Overlay "STM32H7" at 7777.76,5458.21 h120
U6: Bottom Overlay "v 0.2" at 2863.35,1388.57 h60 r270
U8: Bottom Overlay "SDRAM" at 6713.08,2861.07 h60